# Altium PCB PCB_MOPA.PcbDoc (part 1 of 2)
Units mm, origin at the board's own origin, x right, y up, seen from the top; angles counter-clockwise.
Board outline 65 x 56 mm, 4 copper layers (Top Layer, Top Ref, Bottom Ref, Bottom Layer), stack 1.566 mm thick; 129 components, 95 nets, 517 pads, 233 vias.
Unrouted connection lines stored in the file: 39.
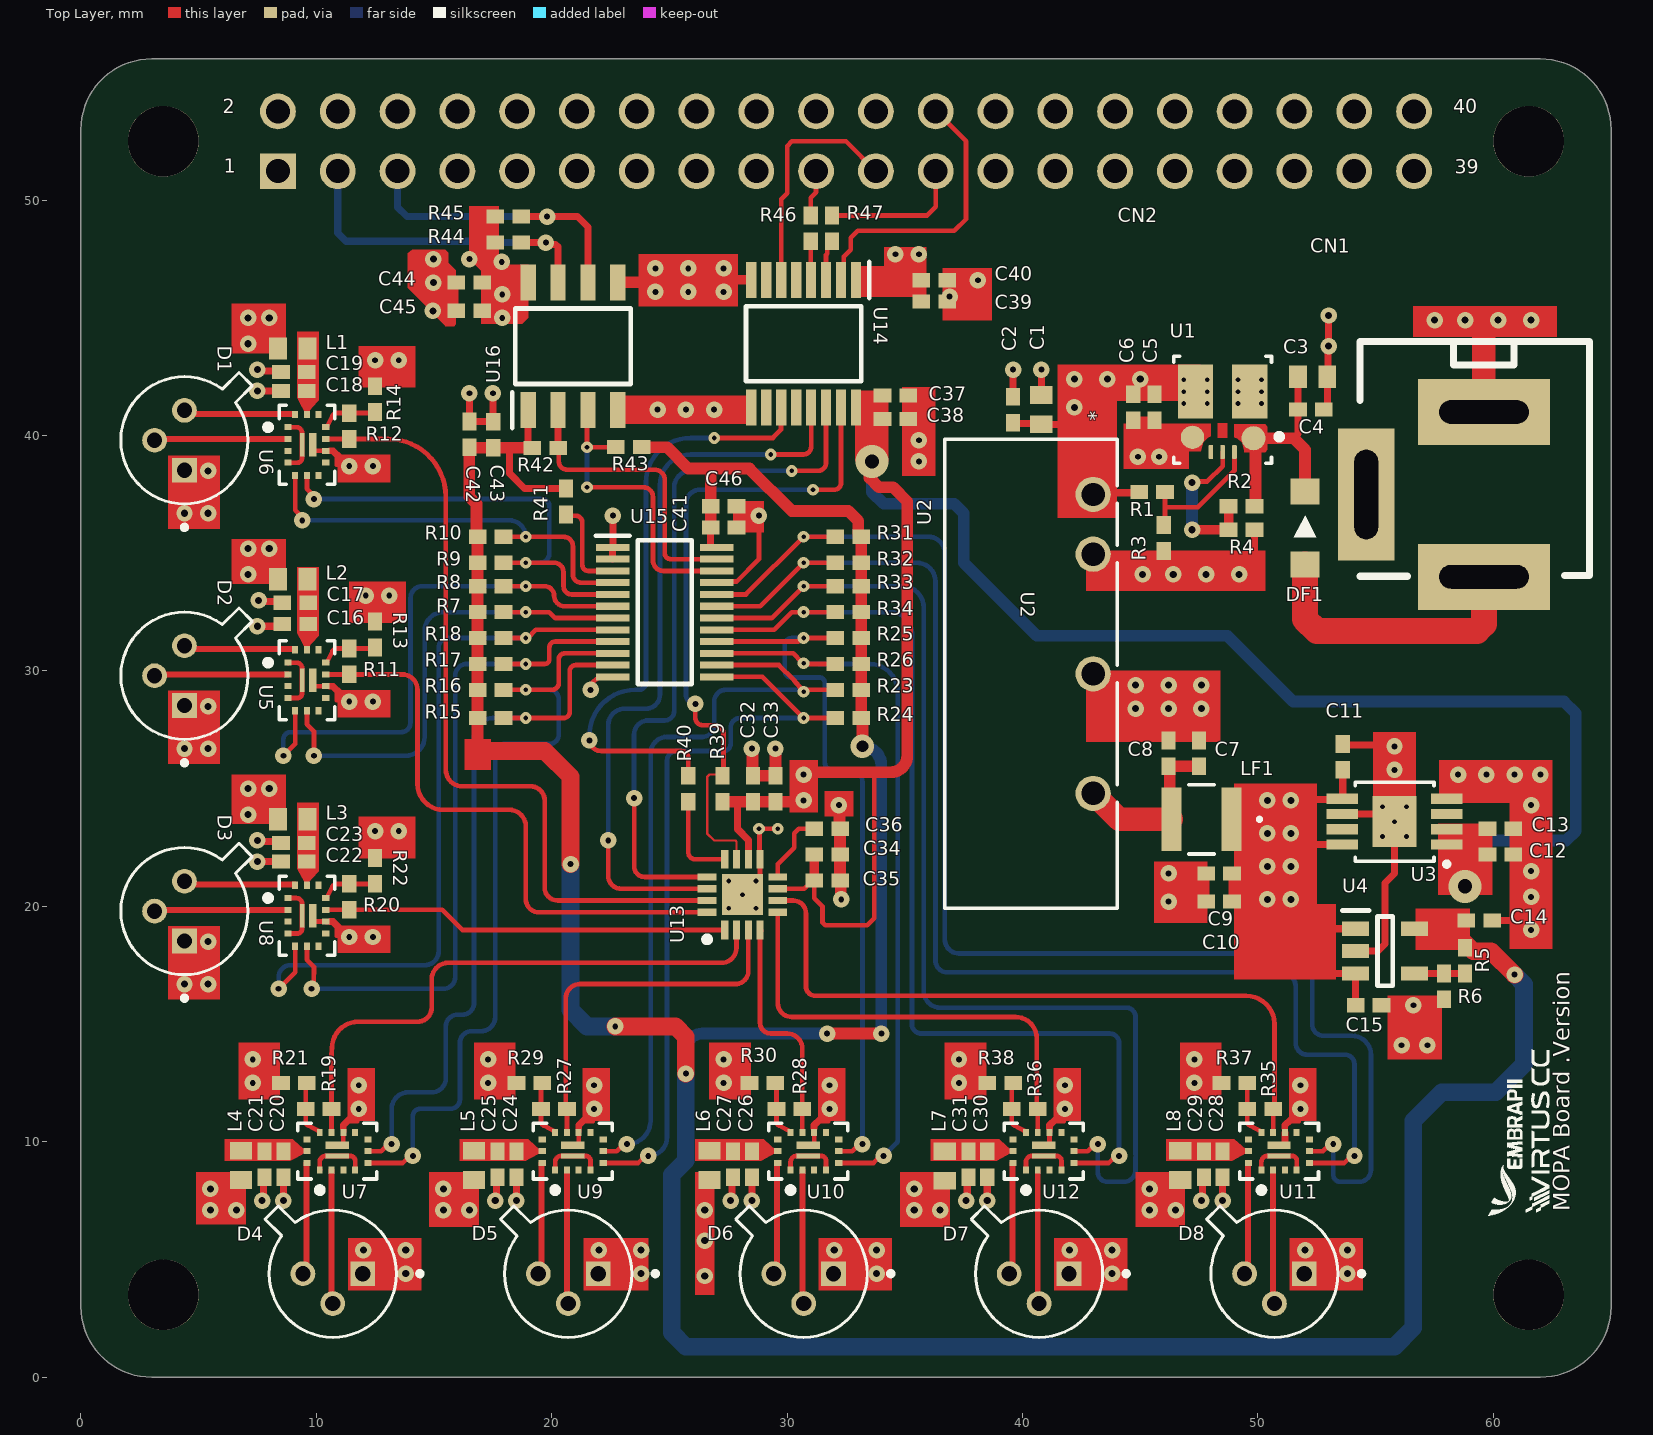
[diagram p0: Top Layer view]
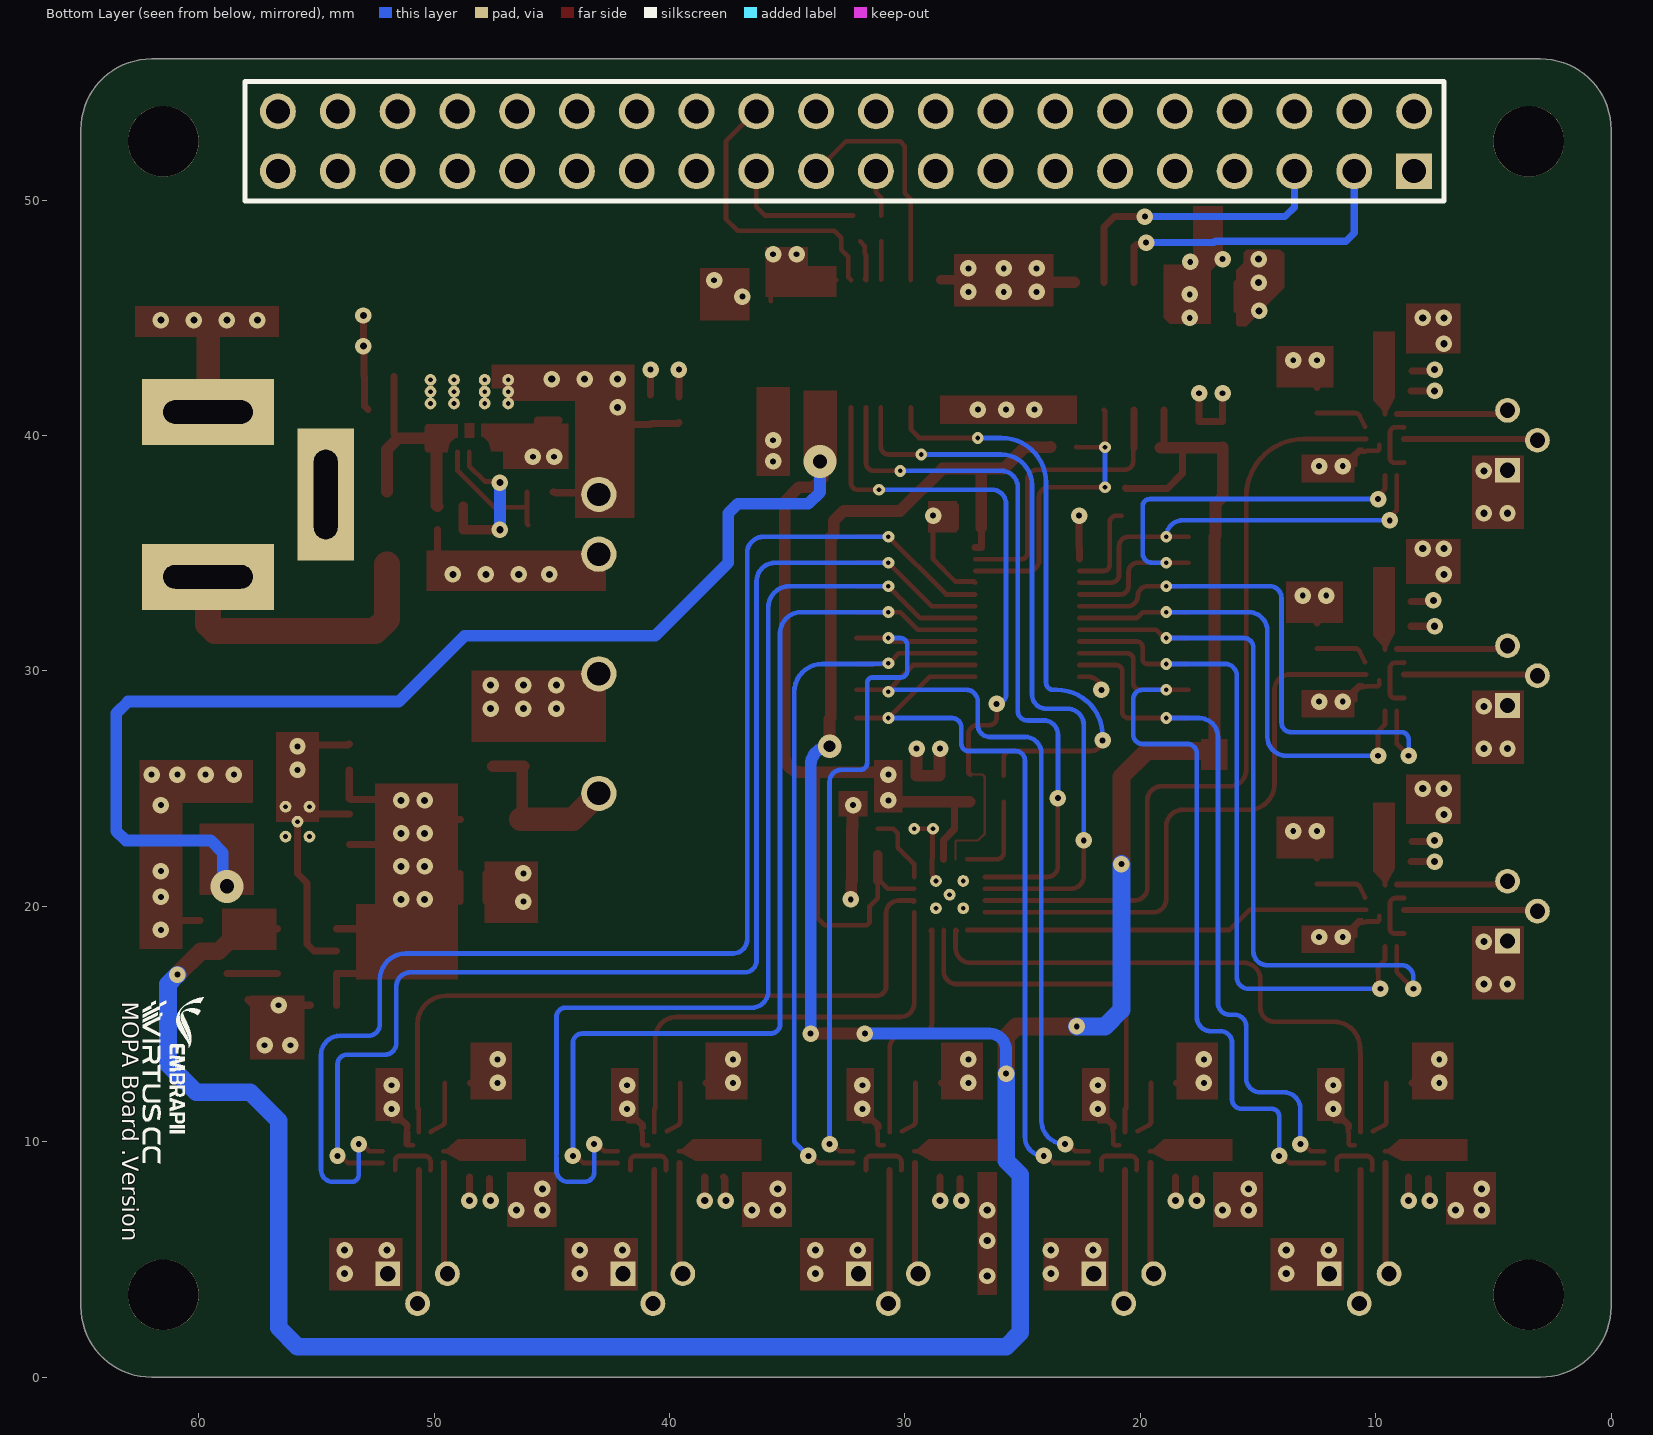
[diagram p1: Bottom Layer view, seen from below]
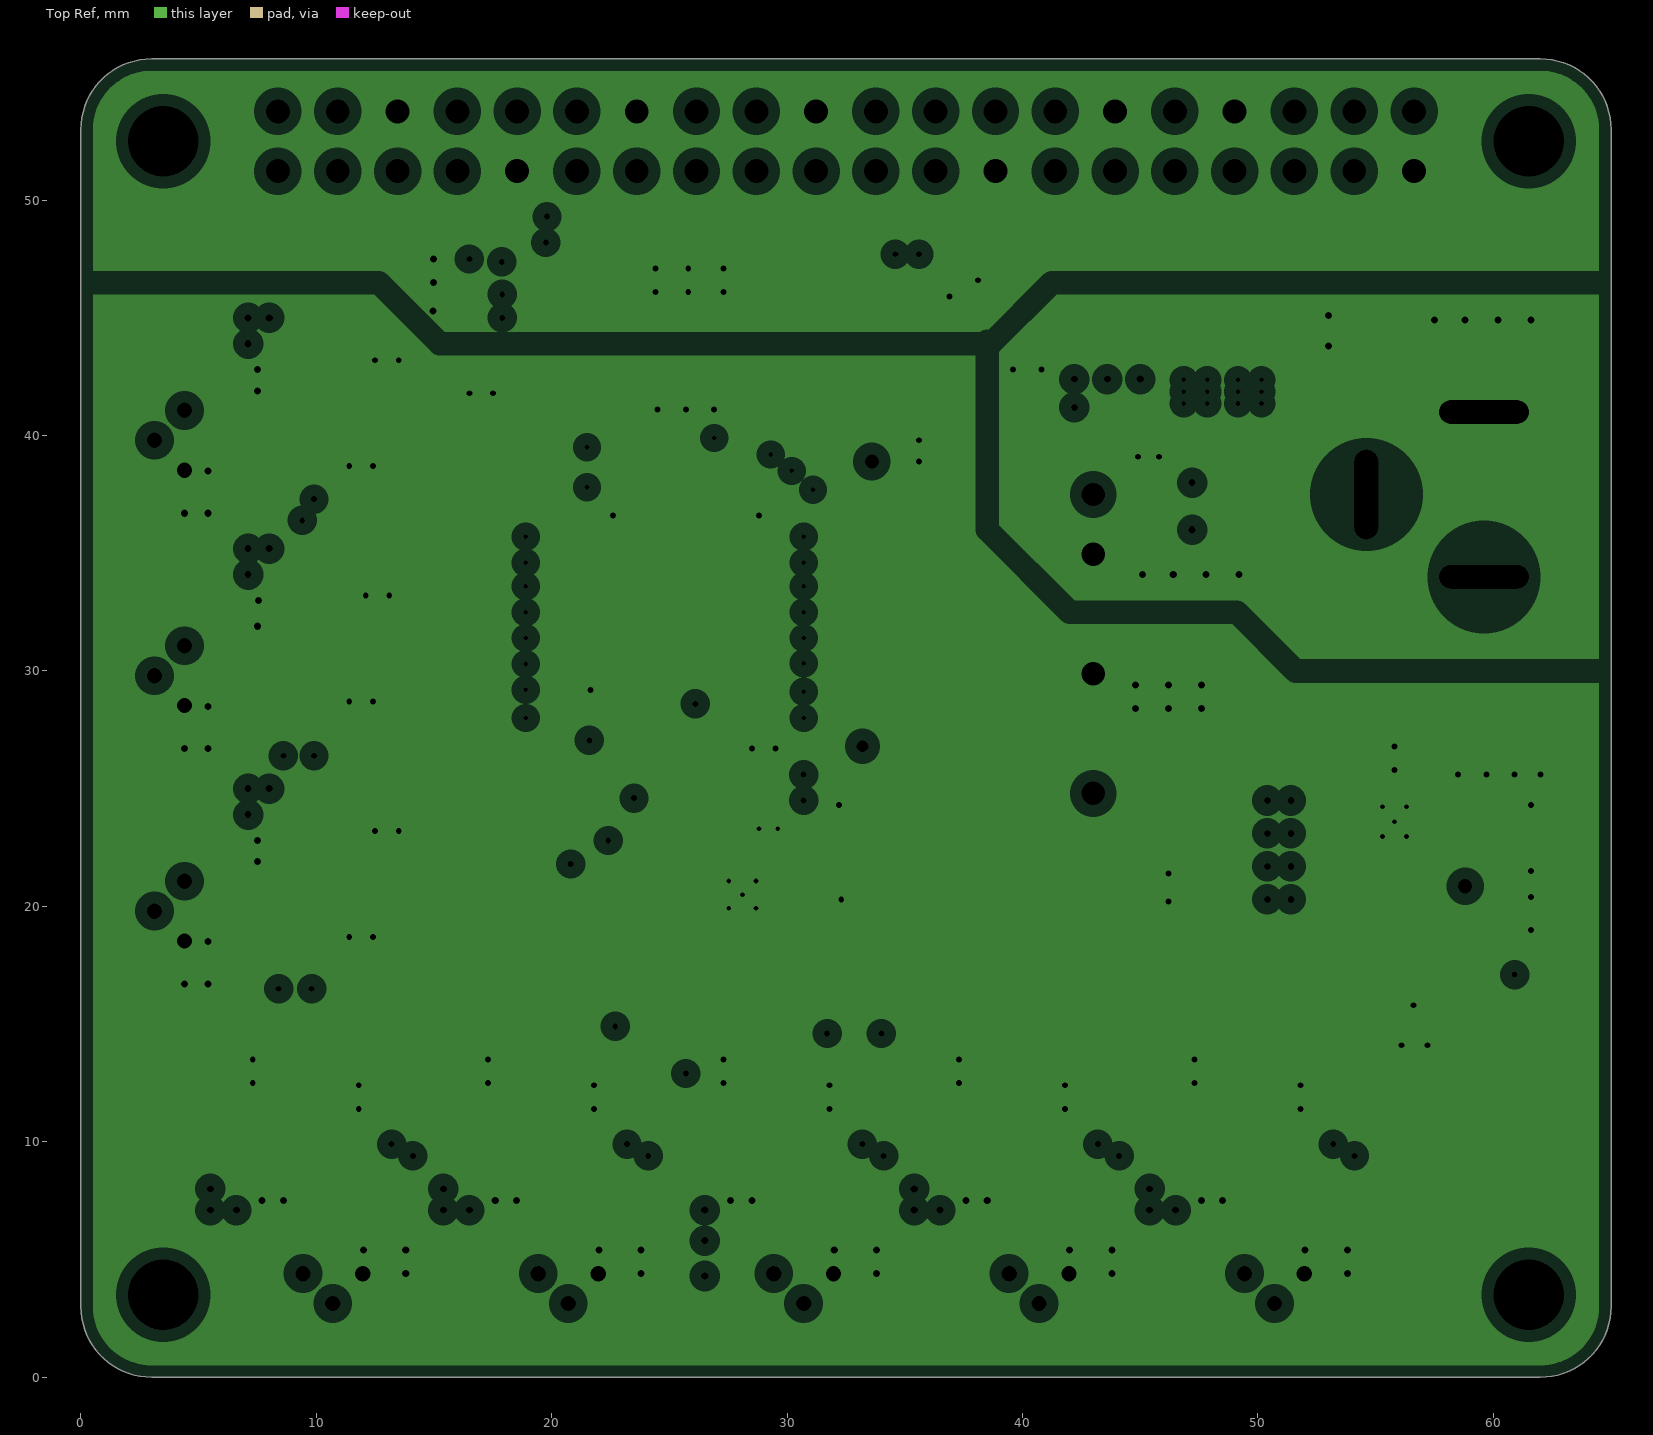
[diagram p2: Top Ref, clearances drawn from the general rule]
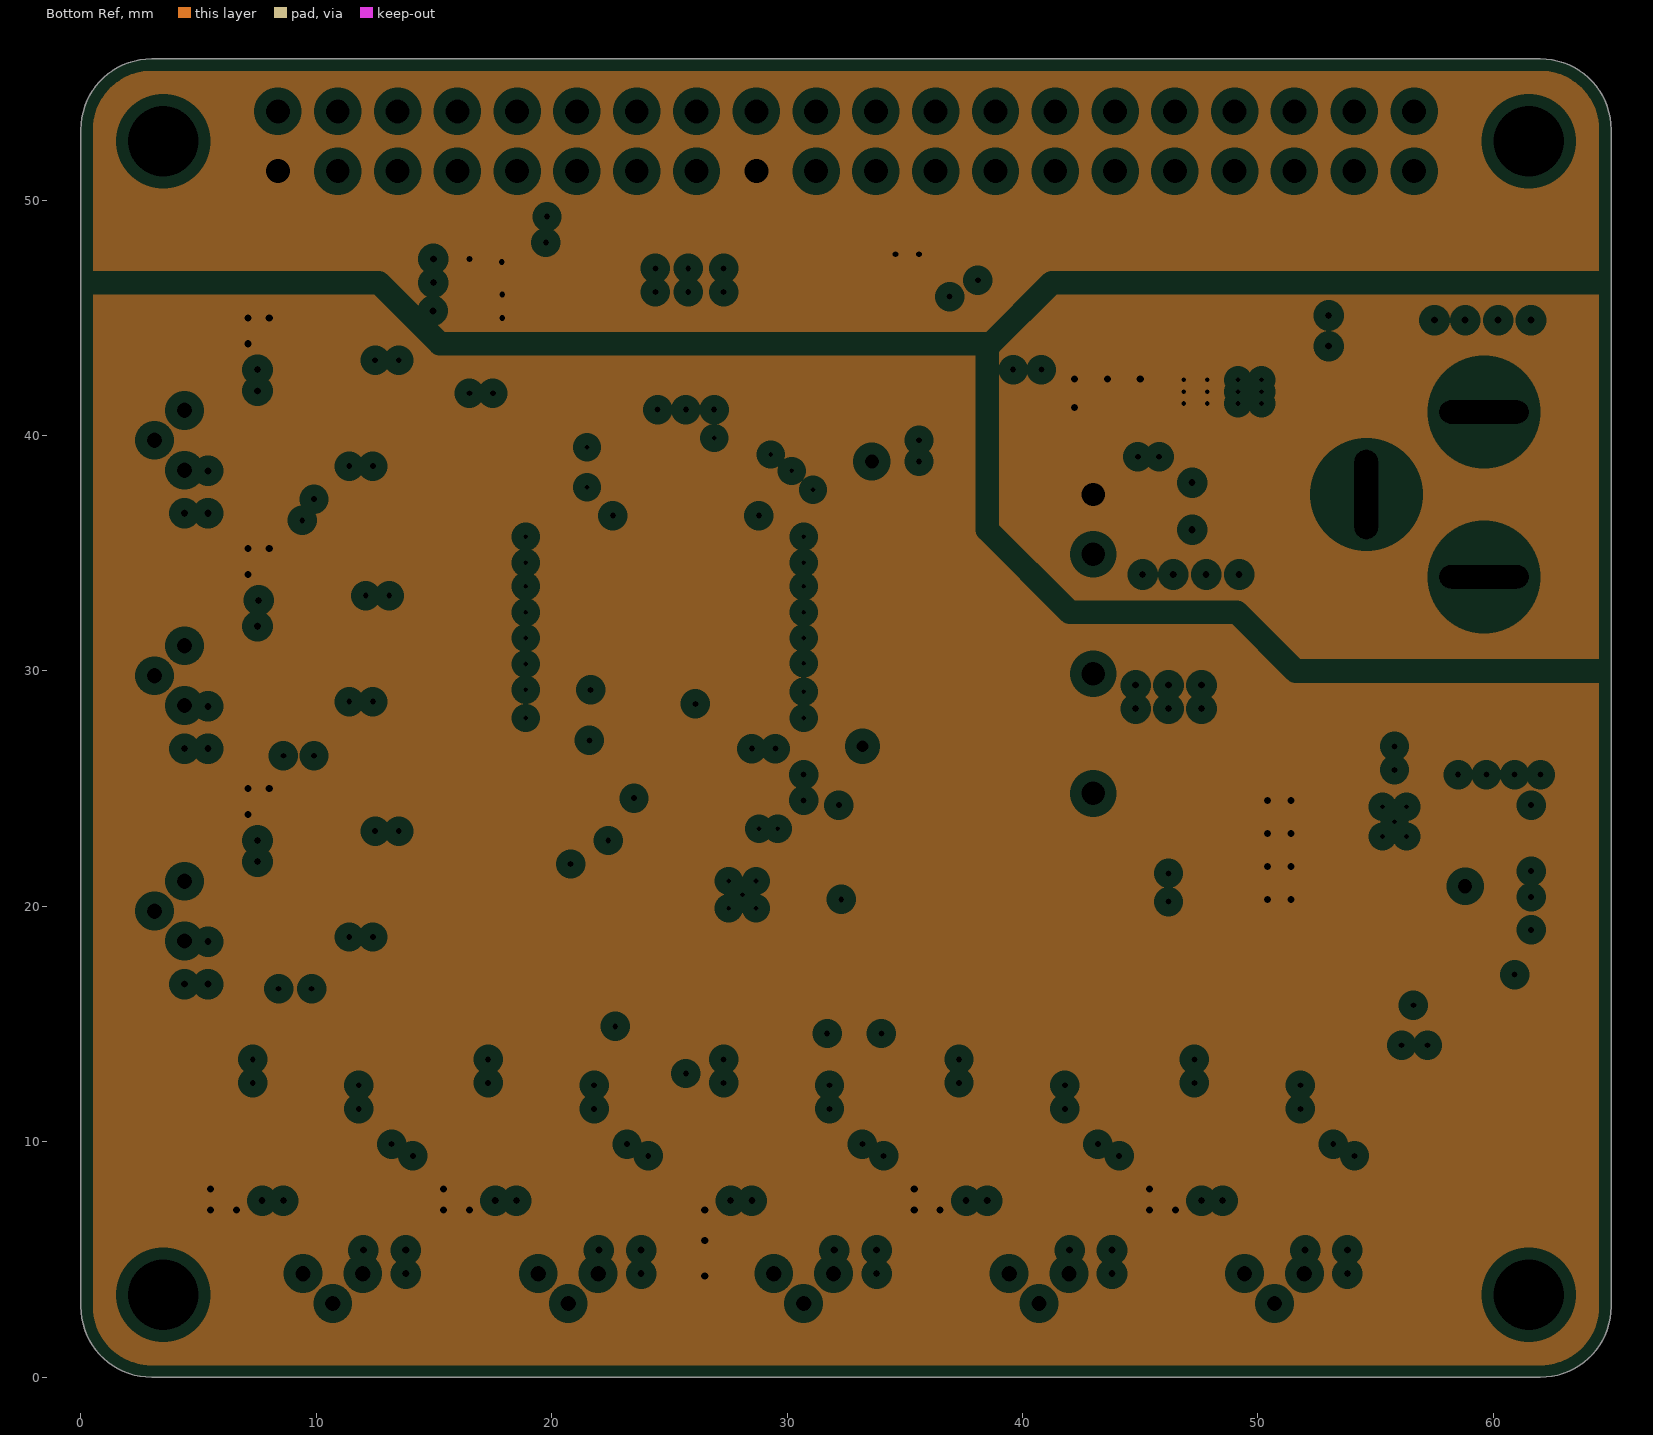
[diagram p3: Bottom Ref, clearances drawn from the general rule]

## Layer stack, top to bottom
Top Mask: solder mask 0.0305, Solder Resist, Dk 3.8
Top Layer: signal copper 0.035
Dielectric 1: prepreg 0.203, 7628, Dk 4.4
Top Ref: plane copper 0.03, net (Multiple Nets)
Core: core 1.03, FR-4, Dk 4.6
Bottom Ref: plane copper 0.03, net (Multiple Nets)
Dielectric 2: prepreg 0.203, 7628, Dk 4.4
Bottom Layer: signal copper 0.035
Board Layer Stack Bottom Solder: solder mask 0.0305, Solder Resist, Dk 3.8

## Board outline
3,0 cw(c3,3) 0,3 0,53 cw(c3,53) 3,56 62,56 cw(c62,53) 65,53 65,3 cw(c62,3) 62,0

## Design rules (kind name [scope] priority, off if disabled: settings)
BoardOutlineClearance [All] p1: gap=0.3 ignorepadtopadclearanceinfootprint=FALSE except(0.4: Arc-SplitBarrior Arc-SplitContinuation Track-SplitBarrior Track-SplitContinuation SMDPad-SplitBarrior SMDPad-SplitContinuation THPad-SplitBarrior THPad-SplitContinuation Via-SplitBarrior Via-SplitContinuation Fill-SplitBarrior Fill-SplitContinuation Poly-SplitBarrior Poly-SplitContinuation Region-SplitBarrior Region-SplitContinuation Text-SplitBarrior Text-SplitContinuation)
Clearance "Clearance Different Nets" [All] p1: gap=0.254 ignorepadtopadclearanceinfootprint=TRUE except(0: Arc-Hole Track-Hole SMDPad-Hole THPad-Hole Via-Hole Fill-Hole Poly-Hole Region-Hole Text-Hole; 0.15: SMDPad-SMDPad; 0.18: Text-Text; 0.2: Arc-Arc Arc-Track Arc-SMDPad Track-Track Track-SMDPad SMDPad-Fill SMDPad-Poly SMDPad-Region Fill-Fill Fill-Poly Fill-Region Poly-Poly Poly-Region Region-Region)
DiffPairsRouting [All] p1: maxlimit=0.254 minlimit=0.25 mostfreqgap=0.25 toplayer_minwidth=0.2 toplayer_maxwidth=0.3 toplayer_prefwidth=0.2 bottomlayer_minwidth=0.2 bottomlayer_maxwidth=0.3 bottomlayer_prefwidth=0.2 maxuncoupledlength=12.7
HoleSize [All] p1: absolutevalues=TRUE maxlimit=6.3 minlimit=0.2 maxpercent=80.000 minpercent=20.000
HoleToHoleClearance [All] p1: gap=0.2 allowstackedmicrovias=TRUE
MatchedLengths [InNetClass('SDCard')] p1: tolerance=0.5 checknetsindiffpair=FALSE checkdiffpairvsdiffpair=TRUE checkxsignals=TRUE checkothers=TRUE targetsourcename="Not defined"
MinimumAnnularRing [All] p1: minimumring=0.15
MinimumSolderMaskSliver [All] p1: minsoldermaskwidth=0.05
PlaneClearance [All] p1: clearance=0.5
PlaneConnect [All] p1: planeconnectstyle=Direct reliefexpansion=0.508 reliefentries=4 reliefconductorwidth=0.254 reliefairgap=0.254
PolygonConnect PolygonConnect_1 [All] p1: thpad.connectstyle=Relief thpad.reliefconductorwidth=0.508 thpad.reliefentries=4 thpad.polygonreliefangle="90 Angle" thpad.airgapwidth=0.254 smdpad.connectstyle=Relief smdpad.reliefconductorwidth=0.508 smdpad.reliefentries=4 smdpad.polygonreliefangle="90 Angle" smdpad.airgapwidth=0.254 via.connectstyle=Direct via.reliefconductorwidth=0.508 via.reliefentries=4 via.polygonreliefangle="90 Angle" via.airgapwidth=0.254
RoutingCorners [All] p1: cornerstyle=Round minsetback=2.54 maxsetback=2.54
RoutingVias [All] p1: holewidth=0.25 width=0.7 viastyle="Through Hole" minholewidth=0.2 minwidth=0.5 maxholewidth=2 maxwidth=3
SilkToSilkClearance [All] p1: silktosilkclearance=0.18
SilkToSolderMaskClearance [IsPad] p1: minsilkscreentomaskgap=0.18 clearancetoexposedcopper=TRUE
SolderMaskExpansion Vias [IsVia] p1: expansion=0.102 istentingtop=TRUE
SolderMaskExpansion [All] p2: expansion=0.05 istentingtop=FALSE
UnRoutedNet [All] p1: checkbadconnections=TRUE
Width [All] p1: maxlimit=6 minlimit=0.089 preferedwidth=0.2
20 further rules are at their usual default settings.

## Classes and differential pairs
component class Designator: CN2 R46 R47
component class "[8] I2C_Control": C41 C42 C43 C44 C45 C46 R41 R42 R43 R44 R45 U15 U16
component class "[7] ADC_Acquisition": C32 C33 C34 C35 C36 C37 C38 C39 C40 R39 R40 U13 U14
component class "[6] AnalogChannels_5_6_7_8": C24 C25 C26 C27 C28 C29 C30 C31 D5 D6 D7 D8 L5 L6 L7 L8 R23 R24 R25 R26 R27 R28 R29 R30 R31 R32 R33 R34 R35 R36 R37 R38 U9 U10 U11 U12
component class "[5] AnalogChannels_1_2_3_4": C16 C17 C18 C19 C20 C21 C22 C23 D1 D2 D3 D4 L1 L2 L3 L4 R7 R8 R9 R10 R11 R12 R13 R14 R15 R16 R17 R18 R19 R20 R21 R22 U5 U6 U7 U8
component class "[4] PowerManagement": C1 C2 C3 C4 C5 C6 C7 C8 C9 C10 C11 C12 C13 C14 C15 CN1 DF1 LF1 R1 R2 R3 R4 R5 R6 U1 U2 U3 U4

## Components (designator, comment, footprint, x,y, rotation, side; value= is the part's Value field where it differs from the comment)
C1 "CL10A226MO7JZNC" CAPC1608X06N 40.8,41.1 r270 top value=22uF
C2 "GCM155R71H104KE02D" CAPC1005X40N 39.6,41.1 r270 top value=100nF
C3 "CL10A106MA8NRNC" CAPC1608X06N 52.325,42.5 r180 top value="10 µF"
C4 "GCM155R71H104KE02D" CAPC1005X40N 52.25,41.1 r180 top value=100nF
C5 "GRT155R61A106ME13D" CAPC1005X40N 45.6,41.2 r90 top value=10uF
C6 "GCM155R71H104KE02D" CAPC1005X40N 44.7,41.2 r90 top value=100nF
C7 "GRT155R61A106ME13D" CAPC1005X40N 47.5,26.5 r270 top value=10uF
C8 "GCM155R71H104KE02D" CAPC1005X40N 46.2,26.5 r270 top value=100nF
C9 "GRT155R61A106ME13D" CAPC1005X40N 48.35,21.4 r0 top value=10uF
C10 "GCM155R71H104KE02D" CAPC1005X40N 48.35,20.2 r0 top value=100nF
C11 "GRM155Z71A105KE01D" CAPC1005X40N 53.6,26.35 r270 top value=1uF
C12 "GRM155R61A475MEAAD" CAPC1005X40N 60.3,22.2 r180 top value=4.7uF
C13 "GCM155R71H104KE02D" CAPC1005X40N 60.3,23.3 r180 top value=100nF
C14 "GRM155Z71A105KE01D" CAPC1005X40N 59.4,19.4 r180 top value=1uF
C15 "GRM155Z71A105KE01D" CAPC1005X40N 54.7,15.8 r180 top value=1uF
C16 "GCM155R71H104KE02D" CAPC1005X40N 9.1,32 r0 top value=100nF
C17 "GRT155R61A106ME13D" CAPC1005X40N 9.1,32.9 r0 top value=10uF
C18 "GCM155R71H104KE02D" CAPC1005X40N 9.05,41.9 r0 top value=100nF
C19 "GRT155R61A106ME13D" CAPC1005X40N 9.05,42.7 r0 top value=10uF
C20 "GCM155R71H104KE02D" CAPC1005X40N 8.6,9.05 r90 top value=100nF
C21 "GRT155R61A106ME13D" CAPC1005X40N 7.8,9.05 r90 top value=10uF
C22 "GCM155R71H104KE02D" CAPC1005X40N 9.05,21.9 r0 top value=100nF
C23 "GRT155R61A106ME13D" CAPC1005X40N 9.05,22.7 r0 top value=10uF
C24 "GCM155R71H104KE02D" CAPC1005X40N 18.5,9.05 r90 top value=100nF
C25 "GRT155R61A106ME13D" CAPC1005X40N 17.7,9.05 r90 top value=10uF
C26 "GCM155R71H104KE02D" CAPC1005X40N 28.5,9.05 r90 top value=100nF
C27 "GRT155R61A106ME13D" CAPC1005X40N 27.7,9.05 r90 top value=10uF
C28 "GCM155R71H104KE02D" CAPC1005X40N 48.5,9.05 r90 top value=100nF
C29 "GRT155R61A106ME13D" CAPC1005X40N 47.7,9.05 r90 top value=10uF
C30 "GCM155R71H104KE02D" CAPC1005X40N 38.5,9.05 r90 top value=100nF
C31 "GRT155R61A106ME13D" CAPC1005X40N 37.7,9.05 r90 top value=10uF
C32 "GCM155R71H104KE02D" CAPC1005X40N 28.55,25 r270 top value=100nF
C33 "GRT155R61A106ME13D" CAPC1005X40N 29.5,25 r270 top value=10uF
C34 "GRT155R61A106ME13D" CAPC1005X40N 31.7,22.2 r180 top value=10uF
C35 "GCM155R71H104KE02D" CAPC1005X40N 31.7,21.1 r180 top value=100nF
C36 "GRM155Z71A105KE01D" CAPC1005X40N 31.7,23.3 r180 top value=1uF
C37 "GRT155R61A106ME13D" CAPC1005X40N 34.6,41.7 r180 top value=10uF
C38 "GCM155R71H104KE02D" CAPC1005X40N 34.6,40.7 r180 top value=100nF
C39 "GCM155R71H104KE02D" CAPC1005X40N 36.25,45.7 r180 top value=100nF
C40 "GRT155R61A106ME13D" CAPC1005X40N 36.25,46.6 r180 top value=10uF
C41 "GCM155R71H104KE02D" CAPC1005X40N 27.3,36.1 r180 top value=100nF
C42 "GRM155R61A102KA01D" CAPC1005X40N 16.5,40.05 r270 top value=10uF
C43 "GCM155R71H104KE02D" CAPC1005X40N 17.514,40.036 r270 top value=100nF
C44 "GCM155R71H104KE02D" CAPC1005X40N 16.5,46.5 r0 top value=100nF
C45 "GRM155R61A102KA01D" CAPC1005X40N 16.5,45.3 r0 top value=10uF